# Altium PCB CRD25DA12N-FMC V2 (09-2024).PcbDoc (part 3 of 6)
Units mil, origin at the board's own origin, x right, y up, seen from the top; angles counter-clockwise.
Board outline 8000 x 8000 mil, 6 copper layers (Top Layer, Layer 2, Layer 3, Layer 4, Layer 5, Bottom Layer), stack 91 mil thick; 602 components, 333 nets, 1670 pads, 639 vias.
Unrouted connection lines stored in the file: 1.
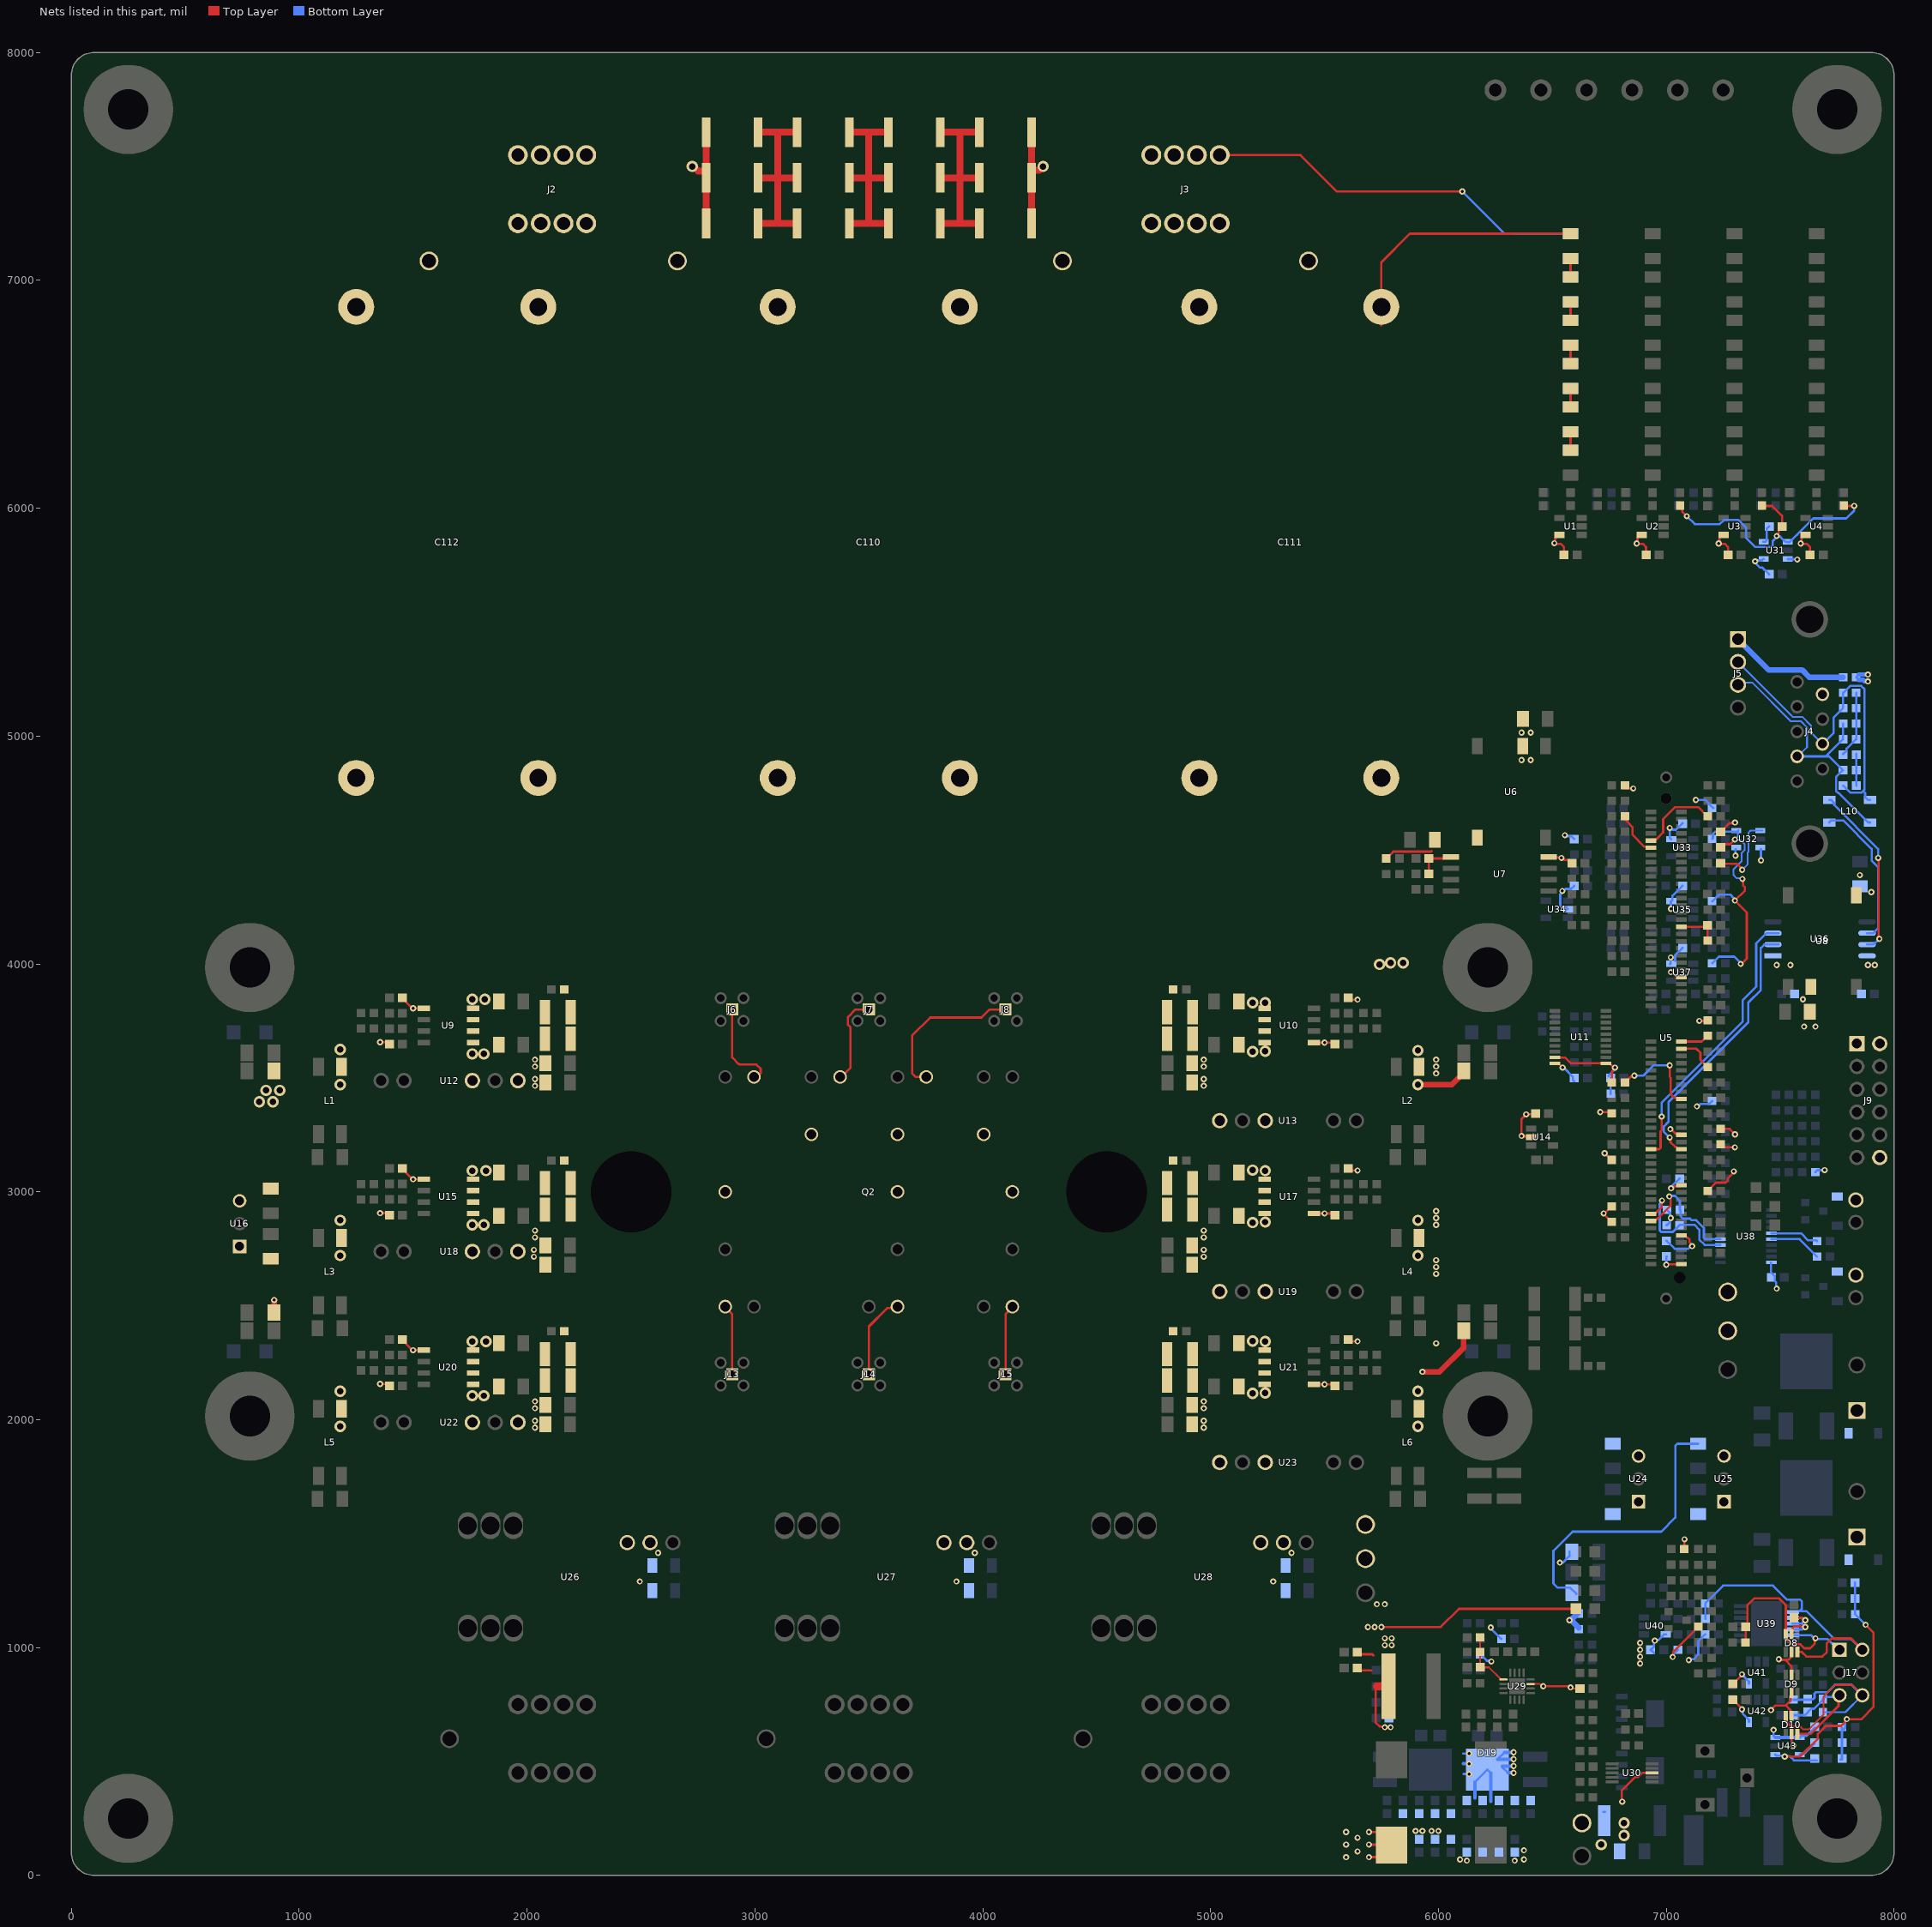
[diagram p7: the nets of this part, all layers, seen from the top]

## Part data (continued)
R91: library part CMP-06022-000547-2, "THERMISTOR NTC 10KOHM 3380K 0603", Case Code (Imperial)=0603, Case Code (Metric)=1608, Manufacturer=MURATA, Max Operating Temperature=150°C, Min Operating Temperature=-40°C, Manufacturer Part Number=NCU18XH103F6SRB, Package=0603, REACH SVHC="No SVHC", RoHS Compliant=Yes
R92 R96 R101 R107 R109 R110 R111 R112 R136 R148 R153 R239 R240: "RES SMD 20K OHM 1% 1/10W 0603", Case Code (Imperial)=0603, Case Code (Metric)=1608, Manufacturer="VISHAY DALE", Max Operating Temperature=155°C, Max Power Dissipation=100mW, Min Operating Temperature=-55°C, Package Quantity=5000, Power Rating=0.1W, Resistance=20kΩ, Resistance Tolerance=1%, Resistor Type="Thick Film", Temperature Coefficient=100ppm/°C, Voltage Rating=75V, Category="Chip SMD Resistors", ComponentLink1Description=https://datasheet.ciiva.com/3883/dcrcw-3883254.pdf?src-supplier=Arrow+Electronics, ComponentLink1URL=https://datasheet.ciiva.com/3883/dcrcw-3883254.pdf?src-supplier=Arrow+Electronics, ComponentLink2Description=https://datasheet.ciiva.com/26933/getdatasheetpartid-28850-26933811.pdf?src-supplier=Verical, ComponentLink2URL=https://datasheet.ciiva.com/26933/getdatasheetpartid-28850-26933811.pdf?src-supplier=Verical, ComponentLink3Description=https://datasheet.ciiva.com/9033/dcrcw-9033436.pdf?src-supplier=Avnet, ComponentLink3URL=https://datasheet.ciiva.com/9033/dcrcw-9033436.pdf?src-supplier=Avnet, ComponentLink4Description=https://datasheet.ciiva.com/2565/dcrcw-2565123.pdf?src-supplier=Digi-Key, ComponentLink4URL=https://datasheet.ciiva.com/2565/dcrcw-2565123.pdf?src-supplier=Digi-Key, Construction=Rectangular, Contact Plating=Tin,Lead, Depth=0.85mm, Features="Automotive AEC-Q200", Height=0.02inch, Lead Free="Contains Lead", Length=1.55mm, Manufacturer Part Number=CRCW060320K0FKTA, Military Standard=Not, Number of Pins=2, Number of Terminations=2, Package=0603, Packaging="Tape and Reel", Power Dissipation=100mW, Pricing 1="1=0.14090 (USD)", Radiation Hardening=No, RoHS=No, RoHS Compliant=No, Series=CRCW, Stock 1=8, Supplier 1="Arrow Electronics", Supplier Part Number 1=CRCW060320K0FKTA, Termination=SMD/SMT, Tolerance=1%, Voltage Rating (DC)=75V, Weight=7.1E-05oz, Width=0.033inch
R113 R117 R125: "RES SMD 165 OHM 1% 3/4W 2010", Manufacturer=VISHAY, Package=2010, Power=0.75W, Manufacturer Part Number=CRCW2010165RFKEF
R137 R146 R150 R152 R154 R214 R215 R216 R217 R218 R219 R275: "RES 100K OHM 1% 1/10W 0603", Case Code (Imperial)=0603, Case Code (Metric)=1608, Manufacturer=YAGEO, Max Operating Temperature=155°C, Max Power Dissipation=100mW, Min Operating Temperature=-55°C, Power Rating=0.1W, Resistance=100kΩ, Resistance Tolerance=1%, Resistor Type="Thick Film", Supplier Part Number 1=3697448, Temperature Coefficient=100ppm/°C, Voltage Rating=50V, Working Voltage=75V, Category="Chip SMD Resistors", ComponentLink1Description=https://datasheet.ciiva.com/11808/0900766b80f96399-11808107.pdf?src-supplier=Rs, ComponentLink1URL=https://datasheet.ciiva.com/11808/0900766b80f96399-11808107.pdf?src-supplier=Rs, ComponentLink2Description=https://datasheet.ciiva.com/7983/443971-7983593.pdf?src-supplier=Element14, ComponentLink2URL=https://datasheet.ciiva.com/7983/443971-7983593.pdf?src-supplier=Element14, ComponentLink3Description=https://datasheet.ciiva.com/22747/443971-22747516.pdf?src-supplier=Element14, ComponentLink3URL=https://datasheet.ciiva.com/22747/443971-22747516.pdf?src-supplier=Element14, ComponentLink4Description=https://datasheet.ciiva.com/46440/1868787-46440889.pdf?src-supplier=Element14, ComponentLink4URL=https://datasheet.ciiva.com/46440/1868787-46440889.pdf?src-supplier=Element14, ComponentLink5Description=https://datasheet.ciiva.com/7746/1738695-7746235.pdf?src-supplier=Element14, ComponentLink5URL=https://datasheet.ciiva.com/7746/1738695-7746235.pdf?src-supplier=Element14, ComponentLink6Description=https://datasheet.ciiva.com/7746/1738695-7746234.pdf?src-supplier=Element14, ComponentLink6URL=https://datasheet.ciiva.com/7746/1738695-7746234.pdf?src-supplier=Element14, Construction=Rectangular, Depth=0.8mm, Features="Moisture Resistant", Height=0.45mm, Lead Free="Lead Free", Length=1.6mm, Manufacturer Part Number=RC0603FR-07100KL, Military Standard=Not, Number of Pins=2, Number of Terminations=2, Package=0603, Packaging="Tape and Reel", Pricing 1="5000=0.00150, 50000=0.00140, 200000=0.00140, 625000=0.00130, 2000000=0.00120 (USD)", Reach SVHC Compliant=Yes, RoHS=Yes, RoHS Compliant=Yes, Series=RC, Stock 1=39805000, Supplier 1="Future Electronics", Technology="THICK FILM", Termination=SMD/SMT, Tolerance=1%, Voltage Rating (DC)=50V, Width=0.8mm
R140: "RES 20 OHM 5% 1/10W 0603", Case Code (Imperial)=0603, Case Code (Metric)=1608, Manufacturer=YAGEO, Max Operating Temperature=155°C, Max Power Dissipation=100mW, Min Operating Temperature=-55°C, Package Quantity=1, Power Rating=0.1W, Resistance=20Ω, Resistance Tolerance=5%, Resistor Type="Thick Film", Supplier Part Number 1=4144481, Temperature Coefficient=100ppm/°C, Voltage Rating=75V, Voltage Rating (DC)=50V, Category="Chip SMD Resistors", ComponentLink1Description=https://datasheet.ciiva.com/2453/pyu-r-int-thick-7-2453212.pdf?src-supplier=Digi-Key, ComponentLink1URL=https://datasheet.ciiva.com/2453/pyu-r-int-thick-7-2453212.pdf?src-supplier=Digi-Key, ComponentLink2Description=https://datasheet.ciiva.com/2453/pyu-r-int-thick-7-2453213.pdf?src-supplier=Digi-Key, ComponentLink2URL=https://datasheet.ciiva.com/2453/pyu-r-int-thick-7-2453213.pdf?src-supplier=Digi-Key, ComponentLink3Description=https://datasheet.ciiva.com/2453/pyu-r-int-thick-7-2453211.pdf?src-supplier=Digi-Key, ComponentLink3URL=https://datasheet.ciiva.com/2453/pyu-r-int-thick-7-2453211.pdf?src-supplier=Digi-Key, Construction=Rectangular, Depth=0.8mm, Features="Moisture Resistant", Height=0.022inch, Lead Free="Lead Free", Length=0.063inch, Manufacturer Part Number=RC0603JR-0720RL, Military Standard=Not, Number of Terminations=2, Package=0603, Packaging="Tape and Reel", Pricing 1="5000=0.00110, 75000=0.00100, 250000=0.00100, 750000=0.00090, 2500000=0.00080 (USD)", RoHS=Yes, RoHS Compliant=Yes, Series=RC, Size Code=0603, Stock 1=490000, Supplier 1="Future Electronics", Termination=SMD/SMT, Tolerance=5%, Weight=7.1E-05oz, Width=0.031inch
R143 R249: "RES 470K OHM 1% 1/10W 0603", Case Code (Imperial)=0603, Case Code (Metric)=1608, Manufacturer=YAGEO, Max Operating Temperature=155°C, Max Power Dissipation=100mW, Min Operating Temperature=-55°C, Package Quantity=1, Power Rating=0.1W, Resistance=470kΩ, Resistance Tolerance=1%, Resistor Type="Thick Film", Supplier Part Number 1=4599155, Temperature Coefficient=100ppm/°C, Voltage Rating=50V, Category="Chip SMD Resistors", ComponentLink1Description=https://datasheet.ciiva.com/46440/1868787-46440906.pdf?src-supplier=Element14, ComponentLink1URL=https://datasheet.ciiva.com/46440/1868787-46440906.pdf?src-supplier=Element14, ComponentLink2Description=https://datasheet.ciiva.com/2454/pyu-r-int-thick-7-2454121.pdf?src-supplier=Digi-Key, ComponentLink2URL=https://datasheet.ciiva.com/2454/pyu-r-int-thick-7-2454121.pdf?src-supplier=Digi-Key, ComponentLink3Description=https://datasheet.ciiva.com/2454/pyu-r-int-thick-7-2454122.pdf?src-supplier=Digi-Key, ComponentLink3URL=https://datasheet.ciiva.com/2454/pyu-r-int-thick-7-2454122.pdf?src-supplier=Digi-Key, ComponentLink4Description=https://datasheet.ciiva.com/2454/pyu-r-int-thick-7-2454120.pdf?src-supplier=Digi-Key, ComponentLink4URL=https://datasheet.ciiva.com/2454/pyu-r-int-thick-7-2454120.pdf?src-supplier=Digi-Key, ComponentLink5Description=https://datasheet.ciiva.com/7746/443971-7746358.pdf?src-supplier=Element14, ComponentLink5URL=https://datasheet.ciiva.com/7746/443971-7746358.pdf?src-supplier=Element14, ComponentLink6Description=https://datasheet.ciiva.com/7746/443971-7746357.pdf?src-supplier=Element14, ComponentLink6URL=https://datasheet.ciiva.com/7746/443971-7746357.pdf?src-supplier=Element14, Construction=Rectangular, Depth=0.8mm, Features="Moisture Resistant", Height=0.022inch, Lead Free="Lead Free", Length=0.063inch, Manufacturer Part Number=RC0603FR-07470KL, Military Standard=Not, Number of Pins=2, Number of Terminations=2, Package=0603, Packaging="Tape and Reel", Pricing 1="5000=0.00150, 50000=0.00140, 200000=0.00140, 625000=0.00130, 2000000=0.00120 (USD)", Reach SVHC Compliant=Yes, RoHS=Yes, RoHS Compliant=Yes, Series=RC, Size Code=0603, Stock 1=8340000, Supplier 1="Future Electronics", Termination=SMD/SMT, Tolerance=1%, Voltage Rating (DC)=50V, Width=0.031inch
R144: "RES SMD 71.5KOHM 0.5% 1/10W 0603", Case Code (Imperial)=0603, Case Code (Metric)=1608, Manufacturer=YAGEO, Max Operating Temperature=155°C, Max Power Dissipation=0.1W, Min Operating Temperature=-55°C, Package Quantity=5000, Resistance=71.5kΩ, Supplier Part Number 1=3077636, Temperature Coefficient=50ppm/°C, Tolerance=0.5%, Voltage Rating (DC)=50V, Case/Package=0603, Category="Chip SMD Resistors", ComponentLink1Description=https://datasheet.ciiva.com/2566/pyu-rt-1-to-0-05-rohs-l-5-2566380.pdf?src-supplier=Digikey, ComponentLink1URL=https://datasheet.ciiva.com/2566/pyu-rt-1-to-0-05-rohs-l-5-2566380.pdf?src-supplier=Digikey, Features="Moisture Resistant", Height=0.022inch, Lead Free="Lead Free", Length=0.063inch, Manufacturer Part Number=RT0603DRE0771K5L, Number of Terminations=2, Package=0603, Packaging="Cut Tape", Pricing 1="5000=0.0103, 20000=0.0097, 75000=0.0093, 150000=0.0091, 375000=0.0086 (USD)", RoHS=Yes, RoHS Compliant=Yes, Series=RT, Stock 1=25000, Supplier 1="Future Electronics", Width=0.031inch
R145: "RES SMD 49.9K OHM 1% 1/10W 0603", Case Code (Imperial)=0603, Case Code (Metric)=1608, Manufacturer=YAGEO, Max Operating Temperature=125°C, Max Power Dissipation=100mW, Min Operating Temperature=-55°C, Power Rating=0.1W, Resistance=49.9kΩ, Supplier Part Number 1=3100550, Temperature Coefficient=50ppm/°C, Tolerance=1%, Voltage Rating=75V, Voltage Rating (DC)=50V, Case/Package=0603, Category="Chip SMD Resistors", ComponentLink1Description=https://datasheet.ciiva.com/12704/pyu-rt-1-to-0-05-rohs-l-4-12704159.pdf?src-supplier=Mouser, ComponentLink1URL=https://datasheet.ciiva.com/12704/pyu-rt-1-to-0-05-rohs-l-4-12704159.pdf?src-supplier=Mouser, Contact Plating=Tin,Matte, Lead Free="Lead Free", Manufacturer Part Number=RT0603FRE0749K9L, Number of Terminations=2, Package=0603, Packaging="Tape and Reel", Pricing 1="5000=0.0034, 20000=0.0032, 100000=0.003, 200000=0.0029, 625000=0.0027 (USD)", RoHS=Yes, RoHS Compliant=Yes, Series=RT, Stock 1=5000, Supplier 1="Future Electronics", Termination=SMD/SMT, Width=800um
R147: "RES 24.9K OHM 1% 1/10W 0603", Case Code (Imperial)=0603, Case Code (Metric)=1608, Manufacturer=YAGEO, Max Operating Temperature=155°C, Max Power Dissipation=100mW, Min Operating Temperature=-55°C, Package Quantity=1, Power Rating=0.1W, Resistance=24.9kΩ, Supplier Part Number 1=3435880, Temperature Coefficient=100ppm/°C, Tolerance=1%, Voltage Rating=50V, Category="Chip SMD Resistors", ComponentLink1Description=https://datasheet.ciiva.com/2453/pyu-r-int-thick-7-2453985.pdf?src-supplier=Digikey, ComponentLink1URL=https://datasheet.ciiva.com/2453/pyu-r-int-thick-7-2453985.pdf?src-supplier=Digikey, ComponentLink2Description=https://datasheet.ciiva.com/2453/pyu-r-int-thick-7-2453986.pdf?src-supplier=Digikey, ComponentLink2URL=https://datasheet.ciiva.com/2453/pyu-r-int-thick-7-2453986.pdf?src-supplier=Digikey, ComponentLink3Description=https://datasheet.ciiva.com/2453/pyu-r-int-thick-7-2453987.pdf?src-supplier=Digikey, ComponentLink3URL=https://datasheet.ciiva.com/2453/pyu-r-int-thick-7-2453987.pdf?src-supplier=Digikey, ComponentLink4Description=https://datasheet.ciiva.com/15189/getdatasheetpartid-327910-15189670.pdf?src-supplier=Verical, ComponentLink4URL=https://datasheet.ciiva.com/15189/getdatasheetpartid-327910-15189670.pdf?src-supplier=Verical, Construction=Rectangular, Depth=0.8mm, Features="Moisture Resistant", Height=0.022inch, Lead Free="Lead Free", Length=0.063inch, Manufacturer Part Number=RC0603FR-0724K9L, Military Standard=Not, Number of Terminations=2, Package=0603, Packaging="Tape and Reel", Pricing 1="5000=0.0017, 50000=0.0016, 150000=0.0015, 375000=0.0014, 1000000=0.0013 (USD)", RoHS=Yes, RoHS Compliant=Yes, Series=RC, Size Code=0603, Stock 1=1145000, Supplier 1="Future Electronics", Termination=SMD/SMT, Voltage Rating (DC)=50V, Width=0.031inch
R149: "RES 61.9K OHM 1% 1/10W 0603", Case Code (Imperial)=0603, Case Code (Metric)=1608, Manufacturer=YAGEO, Max Operating Temperature=155°C, Max Power Dissipation=100mW, Min Operating Temperature=-55°C, Package Quantity=5000, Power Rating=0.1W, Resistance=61.9kΩ, Supplier Part Number 1=9857970, Temperature Coefficient=100ppm/°C, Tolerance=1%, Voltage Rating=50V, Working Voltage=75V, Case/Package=0603, Category="Chip SMD Resistors", ComponentLink1Description=https://datasheet.ciiva.com/12558/rc0603-272842-12558637.pdf?src-supplier=Mouser, ComponentLink1URL=https://datasheet.ciiva.com/12558/rc0603-272842-12558637.pdf?src-supplier=Mouser, Construction=Rectangular, Depth=0.8mm, Features="Moisture Resistant", Height=0.45mm, Lead Free="Lead Free", Length=1.6mm, Manufacturer Part Number=RC0603FR-0761K9L, Military Standard=Not, Number of Terminations=2, Package=0603, Packaging="Tape and Reel", Pricing 1="5000=0.0015, 75000=0.0014, 200000=0.0013, 500000=0.0013, 1250000=0.0012 (USD)", RoHS=Yes, RoHS Compliant=Yes, Series=RC, Stock 1=410000, Supplier 1="Future Electronics", Technology="THICK FILM", Termination=SMD/SMT, Voltage Rating (DC)=50V, Width=0.8mm
R155 R156: "RES 2.7M OHM 5% 1/10W 0603", Case Code (Imperial)=0603, Case Code (Metric)=1608, Manufacturer=YAGEO, Max Operating Temperature=155°C, Max Power Dissipation=100mW, Min Operating Temperature=-55°C, Package Quantity=1, Power Rating=0.1W, Resistance=2.7MΩ, Resistor Type="Thick Film", Temperature Coefficient=100ppm/°C, Tolerance=5%, Voltage Rating=75V, Voltage Rating (DC)=50V, Category="Chip SMD Resistors", ComponentLink1Description=https://datasheet.ciiva.com/2453/pyu-r-int-thick-7-2453209.pdf?src-supplier=Digi-Key, ComponentLink1URL=https://datasheet.ciiva.com/2453/pyu-r-int-thick-7-2453209.pdf?src-supplier=Digi-Key, ComponentLink2Description=https://datasheet.ciiva.com/2453/pyu-r-int-thick-7-2453210.pdf?src-supplier=Digi-Key, ComponentLink2URL=https://datasheet.ciiva.com/2453/pyu-r-int-thick-7-2453210.pdf?src-supplier=Digi-Key, ComponentLink3Description=https://datasheet.ciiva.com/2453/pyu-r-int-thick-7-2453208.pdf?src-supplier=Digi-Key, ComponentLink3URL=https://datasheet.ciiva.com/2453/pyu-r-int-thick-7-2453208.pdf?src-supplier=Digi-Key, Construction=Rectangular, Contact Plating=Tin,Matte, Depth=0.8mm, Features="Moisture Resistant", Height=0.022inch, Lead Free="Lead Free", Length=1.6mm, Manufacturer Part Number=RC0603JR-072M7L, Military Standard=Not, Number of Terminations=2, Package=0603, Packaging="Tape and Reel", Pricing 1="1=0.04340, 10=0.00650, 100=0.00220, 500=0.00210, 1000=0.00140, 3000=0.00110, 6000=0.00090 (USD)", Radiation Hardening=No, RoHS=Yes, RoHS Compliant=Yes, Series=RC, Size Code=0603, Stock 1=12804, Supplier 1="Arrow Electronics", Supplier Part Number 1=RC0603JR-072M7L, Termination=SMD/SMT, Weight=7.1E-05oz, Width=0.8mm
R193 R194 R195 R196: "RES 120 OHM 5% 1/10W 0603", Case Code (Imperial)=0603, Case Code (Metric)=1608, Manufacturer=YAGEO, Max Operating Temperature=155°C, Max Power Dissipation=0.1W, Min Operating Temperature=-55°C, Package Quantity=1, Power Rating=100mW, Resistance Tolerance=5%, Resistor Type="Thick Film", Supplier Part Number 1=2424206, Temperature Coefficient=100ppm/°C, Voltage Rating=50V, Construction=Rectangular, Depth=0.8mm, Features="Moisture Resistant", Height=0.022inch, Lead Free="Lead Free", Length=1.6mm, Manufacturer Part Number=RC0603JR-07120RL, Military Standard=Not, Number of Pins=2, Number of Terminations=2, Package=0603, Packaging="Tape and Reel", REACH SVHC="No SVHC", RoHS Compliant=Yes, Series=RC, Size Code=0603, Supplier 1=Rs, Termination=SMD/SMT, Tolerance=5%, Voltage Rating (DC)=50V, Width=0.8mm
R199 R204 R210: "RES SMD 1.4K OHM 0.5% 1/10W 0603", Manufacturer=YAGEO, Package=0603, Power=0.1W, Manufacturer Part Number=RT0603DRD071K4L
R200 R205 R211: "RES 7.15K OHM 1% 1/10W 0603", Case Code (Imperial)=0603, Case Code (Metric)=1608, Manufacturer=STACKPOLE, Max Operating Temperature=155°C, Max Power Dissipation=100mW, Min Operating Temperature=-55°C, Power Rating=0.1W, Resistance=7.15kΩ, Resistor Type="Thick Film", Temperature Coefficient=100ppm/°C, Tolerance=1%, Category="Chip SMD Resistors", ComponentLink1Description=http://components.arrow.com/part/dataview/46949454S9067612N1174?src-supplier=Arrow+Electronics, ComponentLink1URL=http://components.arrow.com/part/dataview/46949454S9067612N1174?src-supplier=Arrow+Electronics, ComponentLink2Description=https://www.seielect.com/catalog/SEI-RMCF_RMCP.pdf?src-supplier=Avnet, ComponentLink2URL=https://www.seielect.com/catalog/SEI-RMCF_RMCP.pdf?src-supplier=Avnet, ComponentLink3Description=https://www.seielect.com/catalog/SEI-Packaging.pdf?src-supplier=Digi-Key, ComponentLink3URL=https://www.seielect.com/catalog/SEI-Packaging.pdf?src-supplier=Digi-Key, ComponentLink4Description=http://www.seielect.com/Catalog/SEI-RMC.pdf?src-supplier=Future+Electronics, ComponentLink4URL=http://www.seielect.com/Catalog/SEI-RMC.pdf?src-supplier=Future+Electronics, Contact Plating=Tin,Matte, Features="Automotive AEC-Q200", Height=0.022inch, Lead Free="Lead Free", Length=0.061inch, Manufacturer Part Number=RMCF0603FT7K15, Mount="Surface Mount", Number of Terminations=2, Package=0603, Packaging="Tape and Reel", Pricing 1="5000=0.00280, 10000=0.00276, 20000=0.00272, 30000=0.00268, 40000=0.00264, 50000=0.00260, 500000=0.00256 (USD)", Radiation Hardening=No, RoHS=Yes, RoHS Compliant=Yes, Series=RMCF, Size Code=0603, Stock 1=135000, Supplier 1=Avnet, Supplier Part Number 1=RMCF0603FT7K15, Width=0.031inch
R201: "RES SMD 4.02KOHM 0.1% 1/10W 0603", Case Code (Imperial)=0603, Case Code (Metric)=1608, Manufacturer=PANASONIC, Manufacturer Part Number=ERA-3AEB4021V, Max Operating Temperature=155°C, Min Operating Temperature=-55°C, Package Quantity=1, Power=0.1W, Resistance=4.02kΩ, Resistance Tolerance=0.1%, Resistor Type="Thin Film", Supplier Part Number 1=7087616, Temperature Coefficient=25ppm/°C, Voltage Rating=75V, Category="Chip SMD Resistors", ComponentLink1Description=https://datasheet.ciiva.com/29183/452377-da-01-en-widerstand-0603-era-29183994.pdf?src-supplier=Conrad, ComponentLink1URL=https://datasheet.ciiva.com/29183/452377-da-01-en-widerstand-0603-era-29183994.pdf?src-supplier=Conrad, ComponentLink2Description=https://datasheet.ciiva.com/5968/485442-5968885.pdf?src-supplier=Farnell, ComponentLink2URL=https://datasheet.ciiva.com/5968/485442-5968885.pdf?src-supplier=Farnell, ComponentLink3Description=https://datasheet.ciiva.com/5968/485442-5968886.pdf?src-supplier=Farnell, ComponentLink3URL=https://datasheet.ciiva.com/5968/485442-5968886.pdf?src-supplier=Farnell, ComponentLink4Description=https://datasheet.ciiva.com/43457/485442-43457053.pdf?src-supplier=Farnell, ComponentLink4URL=https://datasheet.ciiva.com/43457/485442-43457053.pdf?src-supplier=Farnell, ComponentLink5Description=https://datasheet.ciiva.com/46388/485442-46388217.pdf?src-supplier=Element14, ComponentLink5URL=https://datasheet.ciiva.com/46388/485442-46388217.pdf?src-supplier=Element14, Construction=Rectangular, Contact Plating=Tin, Depth=0.8mm, Features="Automotive AEC-Q200", Height=0.45mm, Lead Free="Lead Free", Length=1.6mm, Military Standard=Not, Mount="Surface Mount", Number of Pins=2, Number of Terminations=2, Package=0603, Packaging="Tape and Reel", Radiation Hardening=No, Reach SVHC Compliant=Yes, RoHS=Yes, RoHS Compliant=Yes, Series=ERA-3A, Stock 1=890, Supplier 1=Rs, Technology="METAL FILM", Termination=SMD/SMT, Tolerance=0.1%, Voltage Rating (DC)=75V, Width=0.8mm
R202 R207 R212: "RES SMD 4.02KOHM 0.1% 1/10W 0603", Case Code (Imperial)=0603, Case Code (Metric)=1608, Manufacturer=PANASONIC, Manufacturer Part Number=ERA-3AEB4021V, Max Operating Temperature=155°C, Max Power Dissipation=100mW, Min Operating Temperature=-55°C, Package Quantity=1, Power Rating=0.1W, Resistance=4.02kΩ, Resistance Tolerance=0.1%, Resistor Type="Thin Film", Supplier Part Number 1=7087616, Temperature Coefficient=25ppm/°C, Voltage Rating=75V, Category="Chip SMD Resistors", ComponentLink1Description=https://datasheet.ciiva.com/29183/452377-da-01-en-widerstand-0603-era-29183994.pdf?src-supplier=Conrad, ComponentLink1URL=https://datasheet.ciiva.com/29183/452377-da-01-en-widerstand-0603-era-29183994.pdf?src-supplier=Conrad, ComponentLink2Description=https://datasheet.ciiva.com/5968/485442-5968885.pdf?src-supplier=Farnell, ComponentLink2URL=https://datasheet.ciiva.com/5968/485442-5968885.pdf?src-supplier=Farnell, ComponentLink3Description=https://datasheet.ciiva.com/5968/485442-5968886.pdf?src-supplier=Farnell, ComponentLink3URL=https://datasheet.ciiva.com/5968/485442-5968886.pdf?src-supplier=Farnell, ComponentLink4Description=https://datasheet.ciiva.com/43457/485442-43457053.pdf?src-supplier=Farnell, ComponentLink4URL=https://datasheet.ciiva.com/43457/485442-43457053.pdf?src-supplier=Farnell, ComponentLink5Description=https://datasheet.ciiva.com/46388/485442-46388217.pdf?src-supplier=Element14, ComponentLink5URL=https://datasheet.ciiva.com/46388/485442-46388217.pdf?src-supplier=Element14, Construction=Rectangular, Contact Plating=Tin, Depth=0.8mm, Features="Automotive AEC-Q200", Height=0.45mm, Lead Free="Lead Free", Length=1.6mm, Military Standard=Not, Mount="Surface Mount", Number of Pins=2, Number of Terminations=2, Package=0603, Packaging="Tape and Reel", Radiation Hardening=No, Reach SVHC Compliant=Yes, RoHS=Yes, RoHS Compliant=Yes, Series=ERA-3A, Stock 1=890, Supplier 1=Rs, Technology="METAL FILM", Termination=SMD/SMT, Tolerance=0.1%, Voltage Rating (DC)=75V, Width=0.8mm